# Altium PCB MB1635.PcbDoc (part 9 of 10) (continued)
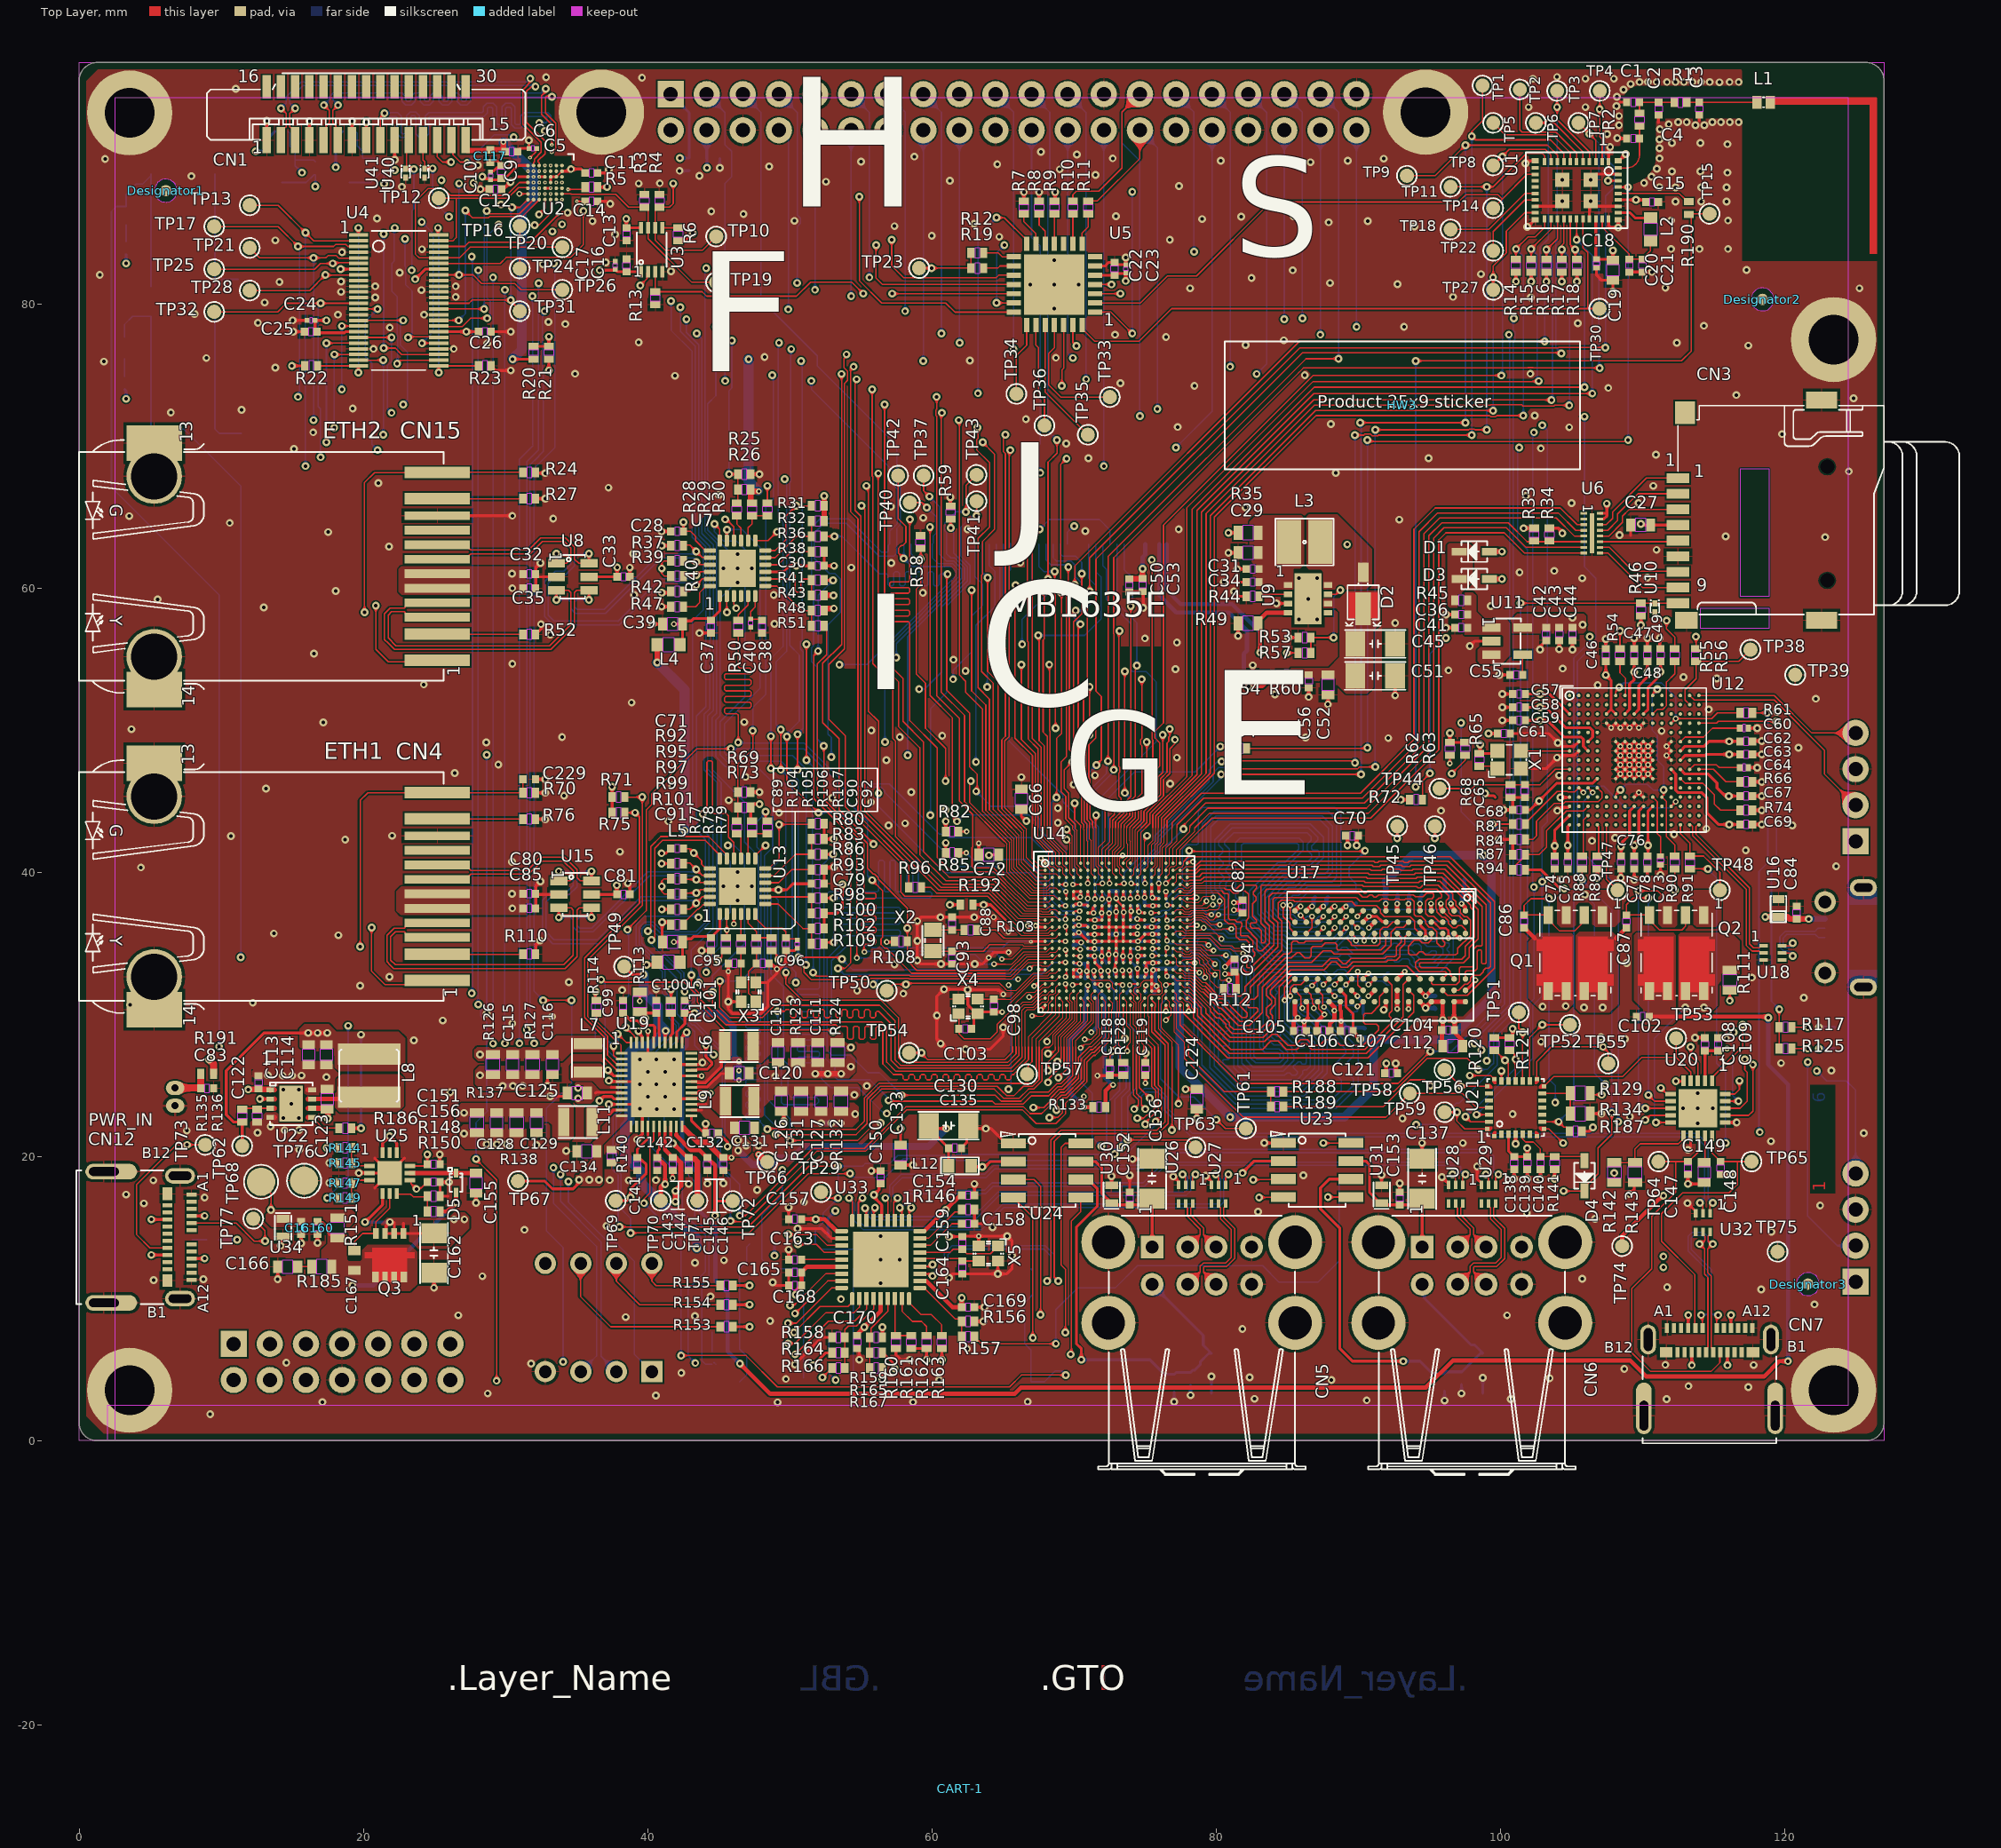
[diagram p0: Top Layer view]
## Nets (pads, with @x,y where several pads share a name; then routed paths per layer and width w, separated by ;. In a path a pad name is that pad's centre, name@x,y a point inside that pad or via, vN(x,y) a via of type N, cw(c..) or ccw(c..) an arc to the next point about the centre after c; other vN are vias at no path point) (continued)
WL_HOST_WAKE: U1.27 U14.A16 | length 70.1
  Top Layer w0.075: U14.A16@75.475,40.65 75.475,41.275 75.475,41.931 75.75,42.206 75.75,43.125
  Top Layer w0.1: 75.75,43.125 75.75,43.983 78.65,46.883 78.65,65.475 86.875,73.7 v1(106.475,73.7) ; v1(105.375,84.525) U1.27@105.375,85.975
  Bottom Layer w0.1: v1(105.375,84.525) 106.475,83.425 v1(106.475,73.7)
pads on no net: CART-1.1 CN1.16 CN1.17 CN1.18 CN1.19 CN1.20 CN1.21 CN1.22 CN1.23 CN1.24 CN1.25 CN1.26 CN1.27 CN1.28 CN1.29 CN1.30 CN3.13 CN3.NPTH1 CN3.NPTH2 CN4.9 CN7.A2 CN7.A3 CN7.A8 CN7.A10 CN7.A11 CN7.B2 CN7.B3 CN7.B8 CN7.B10 CN7.B11 CN10.4 CN12.A2 CN12.A3 CN12.A6 CN12.A7 CN12.A8 CN12.A10 CN12.A11 CN12.B2 CN12.B3 CN12.B6 CN12.B7 CN12.B8 CN12.B10 CN12.B11 CN14.11 CN14.12 CN15.9 CN16.5 CN16.6 CN16.13 CN16.14 CN16.21 CN16.22 Designator1.1 Designator2.1 Designator3.1 Designator4.1 Designator5.1 Designator6.1 L1.2 SW1.5 U1.13 U1.15 U1.16 U2.A1 U2.A3 U2.A5 U2.B1 U2.B2 U2.B5 U2.B6 U2.B7 U2.C2 U5.7 U5.10 U6.1 U6.2 U7.4 U9.5 U12.A1 U12.A2 U12.A3 U12.A4 U12.A5 U12.A8 U12.A9 U12.A11 U12.A12 U12.A13 U12.B1 U12.B2 U12.B3 U12.B4 U12.B5 U12.B6 U12.B7 U12.B8 U12.B9 U12.B10 U12.B11 U12.B12 U12.B13 U12.B15 U12.C2 U12.C3 U12.C4 U12.C11 U12.C12 U12.C13 U12.C14 U12.C15 U12.D1 U12.D2 U12.D3 U12.D4 U12.D10 U12.D11 U12.D13 U12.D14 U12.E1 U12.E2 U12.E3 U12.E4 U12.E12 U12.E13 U12.E14 U12.E15 U12.F1 U12.F4 U12.F14 U12.F15 U12.G4 U12.G14 U12.G15 U12.H1 U12.H2 U12.H3 U12.H4 U12.H14 U12.H15 U12.J2 U12.J3 U12.J4 U12.K1 U12.K2 U12.K3 U12.K12 U12.K14 U12.K15 U12.L1 U12.L12 U12.L13 U12.L14 U12.L15 U12.M2 U12.M3 U12.M4 U12.M5 U12.M7 U12.M12 U12.M13 U12.M14 U12.M15 U12.N2 U12.N4 U12.N5 U12.N6 U12.N7 U12.N11 U12.N13 U12.N14 U12.N15 U12.P2 U12.P4 U12.P5 U12.P6 U12.P7 U12.P8 U12.P9 U12.P10 U12.P11 U12.P12 U12.P13 U12.P14 U12.P15 U12.R2 U12.R3 U12.R6 U12.R7 U12.R8 U12.R9 U12.R10 U12.R11 U12.R12 U17.J1 U17.J9 U17.L1 U17.L9 U18.4 U19.14 U19.33 U19.34 U21.1 U21.2 U21.6 U21.7 U21.10 U21.11 U21.12 U21.23 U21.24 U22.9 U25.11 U26.4 U27.4 U28.4 U29.4 U32.4
copper on no net: | length 0.8
  Top Layer w0.2: v1(98.933,45.558) 98.987,45.558 99.14,45.404 99.521,45.404 99.65,45.275
  other v1: 14.375,22.725 15.475,22.725 14.925,23.725 14.375,24.725 15.475,24.725

## Polygon pours and split planes (outlines as drawn)
5V_VIN on Signal Layer 4 "5V_VIN" (solid, pour order 139): 125.9,99.475 128.975,96.4 128.975,3.825 121.925,-3.225 -0.85,-3.225 -2.525,-1.55 -2.525,99.475
VDD on Signal Layer 4 "VDD_L05_P024" (solid, pour order 24): 70.575,28.625 71.673,29.723 71.673,32.798 72.236,33.36 73.435,33.36 73.65,33.575 73.65,34.225 73.121,34.225 73.025,34.321 72.275,34.321 71.948,34.648 71.756,34.84 71.394,34.934 71.363,34.965 71.363,36.363 71.938,36.363 72.423,36.848 73.286,36.848 73.564,37.127 74.427,37.127 74.723,37.423 74.723,38.473 72.898,38.473 72.898,37.873 70.948,37.873 70.625,37.55 70.625,35.825 70.398,35.598 36.648,35.598 35.681,36.565 35.681,36.669 30.131,36.669 30.1,36.7 29.775,36.375 29.775,27.703 31.752,25.727 45.146,25.727 45.35,25.93 45.35,26.725 46.025,27.4 46.875,27.4 47.5,26.775 47.5,25.923 50.125,25.923 51.073,24.975 54.65,24.975 55.6,25.923 64.225,25.923 66.775,28.473 66.775,28.625
VDD_CPU on Signal Layer 4 "VDD_CPU_L05_P022" (solid, pour order 22): 70.75,47.425 30.975,47.425 24.775,41.225 24.775,27.275 27.866,24.184 31.159,24.184 31.65,24.675 31.65,25.675 29.65,27.675 29.65,38.9 29.925,39.175 32.95,39.175 36.35,35.775 36.35,35.725 69.99,35.725 70.55,36.075 70.55,37.525 70.95,37.925 72.663,37.925 72.813,38.075 72.812,38.45 74.469,38.45 74.675,38.656 74.675,43.5
NetC71_2 on Signal Layer 4 "NO_FT" (solid, pour order 14): 30.125,39.05 36.6,39.05 40.55,43 42.4,43 43.725,41.675 43.725,40.831 42.75,39.856 42.75,34.9 42.475,34.625 41.575,34.625 41.375,34.825 37.525,34.825 35.65,36.7 30.1,36.7 29.85,36.95 29.85,38.775
3V3_SW on Signal Layer 4 "3V3_SW" (solid, pour order 124): 52.975,17.4 60.575,17.4 62.525,15.45 62.525,7 60.25,4.725 51.725,4.725 49.775,6.675 49.775,14.2
1V8_PERIPH on Signal Layer 4 "1V8_PERIPH" (solid, pour order 128): 40.2,88.725 40.2,86.796 39.118,85.715 37.81,85.715 36.925,86.575 28.976,86.575 28.25,85.849 28.25,78.125 27.7,77.575 26.9,77.575 26.9,77.75 23.1,81.55 23.1,85.375 23,85.375 21.8,86.575 16.588,86.575 15.808,85.795 15.808,75.467 9.6,69.259 9.6,14.125 11.694,12.031 42.931,12.031 44.3,13.4 44.3,15.75 44.65,16.1 46.325,16.1 46.7,15.725 46.7,-1.175 2.445,-1.175 -1.325,2.595 -1.325,95.65 0.475,97.45 39.825,97.45 40.175,97.025 40.2,97
VDD_CORE on Signal Layer 4 "VDD_CORE_L05_P018" (solid, pour order 18): 73.724,34.158 73.724,33.574 73.475,33.325 72.053,33.325 71.6,32.872 71.6,29.723 71.6,29.65 70.575,28.625 68.675,28.625 66.775,28.625 66.775,28.55 63.925,25.7 55.325,25.7 54.325,24.7 52.05,24.7 51.45,24.1 51.45,21.1 52.325,20.225 70.8,20.225 71.643,20.225 72.599,19.268 73.308,19.268 75.197,21.157 77.727,21.157 79.366,22.795 79.366,23.634 77.1,25.9 77.1,29.325 75.814,30.611 75.832,31.642 74.725,32.75 74.725,33.408 75.193,33.785 75.193,36.482 74.775,36.9 74.775,36.925 74.175,36.925 74.075,36.825 73.425,36.825 73.292,36.959 73.259,36.959 73.259,37.32 73.121,37.458 72.825,37.458 72.592,37.225 72.592,36.892 72.417,36.892 71.875,36.35 71.875,35.875 71.841,35.841 71.234,35.841 71.234,35.409 71.595,35.409 71.756,35.247 71.756,34.84 72.26,34.336 72.274,34.323 72.274,34.1 72.649,34.1 72.666,34.117 72.666,34.337 73.664,34.337 73.724,34.276
3V3_STLK on Signal Layer 4 "3V3_STLK" (solid, pour order 122): 97.8,45.9 97.8,43.712 100.965,40.547 100.965,38.735 101.762,37.937 117.837,37.937 120.75,35.025 120.75,28.075 121.975,26.85 127.225,26.85 127.3,26.925 127.3,58.775 104.525,58.775 97.8,52.05
NetC28_2 on Signal Layer 4 "NO_FT" (solid, pour order 78): 30.125,61.58 36.6,61.58 39.825,64.805 43.125,64.805 43.725,64.205 43.725,63.361 43.196,62.832 43.196,57.876 42.475,57.155 40.02,57.155 39.225,57.95 36.93,57.95 30.375,57.95 29.85,58.475 29.85,61.305
NetC221_2 on Signal Layer 4 "NO_FT" (solid, pour order 102): 108.95,16.925 107.625,18.25 107.625,22.85 106.45,24.025 106.45,24.8 107.425,25.775 112.625,25.775 115.425,28.575 115.425,31.1 115.975,31.65 116.875,31.65 117.35,31.175 117.35,22.775 111.5,16.925
NetC161_2 on Signal Layer 4 "NO_FT" (solid, pour order 16): 8.675,18.8 7.1,18.8 4.55,16.25 4.55,12.7 5.775,11.475 7.575,11.475 10.125,11.475 11.138,11.475 11.694,12.031 11.694,12.631 10.5,13.825 10.5,14.575 10.975,15.05 13.663,15.05 14.15,15.538 14.15,17.75 13.1,18.8
VDD_DDR on Signal Layer 4 "VDD_DDR_L05_P020" (solid, pour order 20): 74.73,53 82.68,45.05 85.072,45.05 88.025,45.05 89.675,43.4 89.675,38.125 98.475,38.125 98.475,29.35 92.358,29.35 92.358,22.841 79.347,22.841 76,26.975 74.806,28.45 74.806,43.369 70.85,47.325 30.8,47.325 24.65,41.175 24.65,27.3 30.381,21.569 30.381,20.631 30.075,20.325 25.225,20.325 18.425,27.125 18.425,46.325 25.1,53
NetC221_2 on Signal Layer 4 "NO_FT" (solid, pour order 86): 117.9,11.45 117.9,6.5 116.3,4.9 113.275,4.9 111.425,6.75 111.463,8.913 110.625,9.75 110.625,14.175 111.3,14.85 115.6,14.85 117.9,12.55
NetC87_2 on Signal Layer 4 "NO_FT" (solid, pour order 96): 105.2,30.975 105.75,31.525 114.325,31.525 114.95,30.9 114.95,30.025 114.375,29.45 105.425,29.45 105.2,29.675
GND on Top Layer "GND" (solid, remove dead copper, pour order 160): 1.7,97.825 127.425,97.825 127.875,97.375 127.875,1.15 123.975,-2.75 0.6,-2.75 -3.5,1.35 -3.5,97.536
GND on Top Layer "NO_FT" (solid, pour order 169): 98.025,94.95 96.15,96.825 92.8,96.825 91.475,95.5 91.475,91.8 93.275,90 96.9,90 98.025,91.125
GND on Top Layer "NO_FT" (solid, pour order 168): 40.025,94.95 38.15,96.825 34.8,96.825 33.475,95.5 33.475,91.8 35.275,90 38.9,90 40.025,91.125
I_SENSE_VDD on Top Layer "NO_FT" (solid, pour order 62): 53.575,28.85 54.6,27.825 54.6,27.6 54.4,27.4 48.825,27.4 48.025,26.6 46.9,26.6 46.775,26.725 46.775,28.75 46.875,28.85
NetL11_1 on Top Layer "NO_FT" (solid, remove dead copper, pour order 36): 36.65,22.175 36.65,21.45 36.525,21.325 35.75,21.325 35.65,21.425 35.65,23.4 35.8,23.55 37.3,23.55 37.65,23.375 37.725,23.375 37.725,23.175 37.65,23.175
5V_VIN on Top Layer "NO_FT" (solid, pour order 34): 36.05,20.9 36.05,19.813 35.15,18.7 34.95,18.7 34.95,17.925 36.675,17.925 36.825,18.075 36.825,20.825 38.575,22.575 38.575,22.975 37.65,22.975 36.775,22.1 36.775,21.575
5V_VIN on Top Layer "NO_FT" (solid, remove dead copper, pour order 32): 36.975,24.575 36.7,24.575 36.025,25.25 34.975,25.25 34.875,25.15 34.875,23.9 35.05,23.725 36,23.725 36.65,24.375 36.975,24.375
NetL7_1 on Top Layer "NO_FT" (solid, remove dead copper, pour order 26): 38,24.975 37.525,24.975 36.975,25.525 36.975,26.275 36.7,26.55 34.75,26.55 34.575,26.375 34.575,25.475 34.725,25.325 36.125,25.325 36.675,24.775 38,24.775
NetC160_1 on Top Layer "NO_FT" (solid, pour order 68): 17.475,14.579 17.475,13.854 17.05,13.429 17.05,10.904 17.425,10.529 23.3,10.529 23.775,11.004 23.775,13.304 23.3,13.779 20.275,13.779 19.925,13.429 19.925,12.754 19.8,12.629 18.975,12.629 18.85,12.754 18.85,14.629 18.75,14.729 17.625,14.729
VL on Top Layer "NO_FT" (solid, pour order 110): 82.35,64.675 82.35,62 82.6,61.75 82.6,60.025 82.7,59.925 85.4,59.925 85.45,59.975 85.45,61.325 85.5,61.375 85.9,61.375 86.2,61.675 86.2,64.925 86,65.125 82.8,65.125 82.375,64.7
NetC87_2 on Top Layer "NO_FT" (solid, pour order 92): 112.525,35.6 112.675,35.75 116.25,35.75 116.85,35.15 116.85,32.75 116.575,32.475 115.675,32.475 115.3,32.1 115.3,30.65 114.775,30.125 112.75,30.125 112.525,30.35
NetC161_2 on Top Layer "NO_FT" (solid, pour order 66): 13.475,16.275 19.2,16.275 19.425,16.05 19.425,15.45 19.025,15.05 13.525,15.05 13.125,15.45 13.125,15.925 13.375,16.175
VDD on Top Layer "NO_FT" (solid, pour order 64): 49.875,25.8 50.175,25.5 54.175,25.5 54.625,25.95 54.625,26.925 54.325,27.225 49.975,27.225 49.875,27.125
VDD_CORE on Top Layer "NO_FT" (solid, pour order 56): 50.1,22.375 50.4,22.075 54.4,22.075 54.85,22.525 54.85,23.5 54.55,23.8 50.2,23.8 50.1,23.7
I_SENSE_VDD_CORE on Top Layer "NO_FT" (solid, pour order 54): 46.65,24.8 46.975,25.125 54.75,25.125 54.975,24.9 54.975,24.3 54.65,23.975 48.675,23.975 48.175,23.475 48.175,22.875 48.05,22.75 46.925,22.75 46.65,23.025
VDD_DDR on Top Layer "NO_FT" (solid, pour order 42): 31.475,20.85 31.175,20.55 27.175,20.55 26.725,21 26.725,21.975 27.025,22.275 31.375,22.275 31.475,22.175
I_SENSE_VDD_DDR on Top Layer "NO_FT" (solid, pour order 38): 34.8,23.475 34.525,23.75 26.875,23.75 26.5,23.375 26.5,22.6 26.65,22.45 33.05,22.45 33.275,22.225 33.275,21.325 33.475,21.125 34.525,21.125 34.8,21.4
VDD_CPU on Top Layer "NO_FT" (solid, pour order 30): 32.6,24.95 32.3,24.65 28.3,24.65 27.85,25.1 27.85,26.075 28.15,26.375 32.5,26.375 32.6,26.275
"I_SENSE_VDD CPU" on Top Layer "NO_FT" (solid, pour order 28): 36.625,28.5 36.875,28.25 36.875,27.475 36.75,27.35 34.625,27.35 34,26.725 28.075,26.725 27.8,27 27.8,27.5 28,27.7 32.775,27.7 33.575,28.5
GND on Top Layer "NO_FT" (solid, pour order 143): 13.725,25.022 13.522,25.225 12.3,25.225 12.15,25.375 12.15,26.025 12.355,26.23 13.48,26.23 14.567,27.317 17.605,27.317 17.975,26.947 17.975,26.275 17.997,26.275 18.472,25.8 18.125,25.453 18.125,24.578 17.882,24.335 16.201,24.326 16.125,24.25 16.125,21.95 15.575,21.4 12.45,21.4 12.05,21.8 12.05,22.775 12.245,22.97 12.994,22.97 13.141,23.117 13.641,23.117 13.725,23.201
VH on Top Layer "NO_FT" (solid, pour order 114): 88.675,59.275 89.225,59.825 91.45,59.825 91.55,59.725 91.55,57.5 91.05,57 91.05,53 90.625,52.575 89.15,52.575 88.525,53.2 87.475,53.2 87.2,53.475 85.1,53.475 85,53.575 85,54.275 85.1,54.375 87.925,54.375 88.7,55.15 88.7,58.325 88.425,58.6 87.575,58.6 87.5,58.675 87.5,59.2 87.575,59.275
3V3_AO on Top Layer "NO_FT" (solid, pour order 74): 15.5,28.975 15.85,29.325 17.575,29.325 18.1,28.8 22.475,28.8 22.95,28.325 22.95,26.497 22.453,26 18.25,26 17.975,26.275 17.975,27.1 17.65,27.425 15.725,27.425 15.5,27.65
NetL8_1 on Top Layer "NO_FT" (solid, pour order 72): 17.39,23.7 15.991,23.704 15.85,23.844 15.85,24.233 16.023,24.406 17.943,24.396 18.125,24.578 18.125,25.453 18.472,25.8 22.578,25.8 22.85,25.528 22.85,23.55 22.425,23.125 18.319,23.125 17.745,23.7
5V_VIN on Top Layer "NO_FT" (solid, remove dead copper, pour order 58): 46.55,27.025 46.625,26.95 46.625,25.3 46.55,25.225 45.025,25.225 44.55,24.75 43.525,24.75 43.5,24.775 43.5,24.975 43.525,25 43.979,25 45.987,27.025
5V_VIN on Top Layer "NO_FT" (solid, remove dead copper, pour order 46): 46.075,20 46.95,20 47.3,20.35 47.3,20.975 46.625,21.65 46.625,21.975 46.625,22.725 45.05,22.725 44.375,23.4 43.525,23.4 43.5,23.375 43.5,23.175 43.525,23.15 43.649,23.15 44.762,21.975 45.299,21.975 45.35,21.926 45.35,21.663 45.6,21.4 45.95,21.05 45.95,20.125
NetC28_2 on Top Layer "NO_FT" (solid, pour order 80): 24.7,61.53 22.655,61.53 22.475,61.35 22.475,59.75 22.695,59.53 31.6,59.53 31.675,59.605 31.675,61.38 31.525,61.53
NetC71_2 on Top Layer "NO_FT" (solid, pour order 76): 22.65,39 22.325,38.675 22.325,37.3 22.625,37 31.6,37 31.675,37.075 31.675,38.85 31.525,39
NetL9_1 on Top Layer "NO_FT" (solid, remove dead copper, pour order 52): 43.525,23.55 43.5,23.575 43.5,23.775 43.525,23.8 43.8,23.8 44.947,24.95 45.875,24.95 45.925,24.9 45.925,22.9 45.875,22.85 45.125,22.85 44.425,23.55
NetL6_1 on Top Layer "NO_FT" (solid, remove dead copper, pour order 60): 43.525,25.15 43.5,25.175 43.5,25.375 43.525,25.4 43.675,25.4 43.875,25.6 43.875,26 44.5,26.625 44.5,28.8 44.55,28.85 45.875,28.85 45.925,28.8 45.925,27.35 45.925,26.8 45.875,26.75 45.5,26.75 43.9,25.15
NetD2_1 on Top Layer "NO_FT" (solid, pour order 112): 86.375,65.05 86.375,61.475 86.525,61.325 87.375,61.325 87.5,61.2 87.5,60 87.575,59.925 90.575,59.925 90.975,60.325 90.975,62.75 88.525,65.2 86.525,65.2
GND on Top Layer "NO_FT" (solid, pour order 167): 6.825,94.9 4.95,96.775 1.6,96.775 0.275,95.45 0.275,91.75 2.075,89.95 5.7,89.95 6.825,91.075
GND on Top Layer "NO_FT" (solid, pour order 170): 126.775,78.95 124.9,80.825 121.55,80.825 120.225,79.5 120.225,75.8 121.85,74.175 125.825,74.175 126.775,75.125
GND on Top Layer "NO_FT" (solid, pour order 171): 126.775,5 124.9,6.875 121.55,6.875 120.225,5.55 120.225,1.85 122.025,0.05 125.65,0.05 126.775,1.175
GND on Top Layer "NO_FT" (solid, pour order 172): 6.875,5.05 5,6.925 1.65,6.925 0.325,5.6 0.325,1.9 2.125,0.1 5.75,0.1 6.875,1.225
5V_VIN on Top Layer "5V_VIN" (solid, pour order 159): 21.195,15.214 21.67,15.689 25.995,15.689 26.37,16.064 27.145,16.064 27.445,15.764 27.445,14.939 27.095,14.589 26.02,13.514 23.844,13.514 23.395,13.964 21.345,13.964 21.195,14.114
3V3_STLK on Top Layer "NO_FT" (solid, pour order 108): 105.875,58.2 106.025,58.05 106.025,57 105.85,56.825 100.85,56.825 100.75,56.925 100.75,57.75 101.2,58.2
NetC36_1 on Top Layer "NO_FT" (solid, pour order 106): 97.325,56.825 97.425,56.725 100.1,56.725 100.225,56.6 100.225,55.925 100.15,55.85 98.6,55.85 98.4,55.65 98.4,54.875 98.6,54.675 100.1,54.675 100.7,55.275 100.7,57.55 100.475,57.775 98.875,57.775 98.3,58.35 98.3,59.475 98.075,59.7 97.45,59.7 97.325,59.575
NetD1_2 on Top Layer "NO_FT" (solid, pour order 104): 98.05,60.475 97.275,59.7 97.275,58.75 97.15,58.625 96.425,58.625 96.275,58.775 96.275,63.025 96.4,63.15 97.825,63.15 98.05,62.925
5V_VIN on Top Layer "NO_FT" (solid, pour order 100): 105,35.725 105.15,35.575 105.15,30.75 104.675,30.275 102.875,30.275 101.975,31.175 101.975,35.1 102.6,35.725
SRC_GDCS on Top Layer "NO_FT" (solid, pour order 98): 104,38.25 104.5,38.75 107.925,38.75 108.425,38.25 108.425,36.525 108.05,36.15 106.675,36.15 106.475,36.35 106.475,37.625 106.225,37.875 105.525,37.875 105.325,37.675 105.325,36.3 105.15,36.125 104.25,36.125 104,36.375
NetC87_2 on Top Layer "NO_FT" (solid, pour order 94): 105.3,35.575 105.55,35.825 107.875,35.825 108.3,35.4 108.3,30.725 107.7,30.125 105.625,30.125 105.3,30.45
SNK_GDCS on Top Layer "NO_FT" (solid, pour order 90): 111.125,38.25 111.625,38.75 115.05,38.75 115.55,38.25 115.55,36.525 115.175,36.15 113.8,36.15 113.6,36.35 113.6,37.625 113.35,37.875 112.65,37.875 112.45,37.675 112.45,36.3 112.275,36.125 111.375,36.125 111.125,36.375
PWR_ON_DB on Top Layer "NO_FT" (solid, pour order 88): 112.35,29.525 112.125,29.3 110.175,29.3 110.05,29.425 110.05,30.35 109.4,31 109.4,35.575 109.575,35.75 112.175,35.75 112.35,35.575
NetR140_2 on Top Layer "NO_FT" (solid, pour order 44): 38.65,22.525 38.925,22.525 38.925,21.7 37.975,20.75 37.975,20.175 37.925,20.125 37.025,20.125 36.95,20.2 36.95,20.825
GND on Bottom Layer "GND" (solid, remove dead copper, pour order 173): 1.7,97.825 127.425,97.825 127.875,97.375 127.875,1.15 123.85,-2.875 2.45,-2.875 -3.625,3.2 -3.625,97.529
GND on Bottom Layer "NO_FT" (solid, pour order 165): 91.475,94.95 93.35,96.825 96.7,96.825 98.025,95.5 98.025,91.8 96.225,90 92.6,90 91.475,91.125
GND on Bottom Layer "NO_FT" (solid, pour order 161): 5.05,96.675 6.925,94.8 6.925,91.45 5.6,90.125 1.9,90.125 0.1,91.925 0.1,95.55 1.225,96.675
GND on Bottom Layer "NO_FT" (solid, pour order 162): 4.95,6.825 6.825,4.95 6.825,1.6 5.5,0.275 1.8,0.275 0,2.075 0,5.7 1.125,6.825
GND on Bottom Layer "NO_FT" (solid, pour order 163): 120.175,5 122.05,6.875 125.4,6.875 126.725,5.55 126.725,1.85 124.925,0.05 121.3,0.05 120.175,1.175
GND on Bottom Layer "NO_FT" (solid, pour order 164): 120.125,79 122,80.875 125.35,80.875 126.675,79.55 126.675,75.85 124.875,74.05 121.25,74.05 120.125,75.175
GND on Bottom Layer "NO_FT" (solid, pour order 166): 33.475,94.95 35.35,96.825 38.7,96.825 40.025,95.5 40.025,91.8 38.225,90 34.6,90 33.475,91.125
NetC221_2 on Bottom Layer "NO_FT" (solid, pour order 150): 110.4,17.75 111.375,17.75 112.025,17.1 112.025,12.1 111.575,11.65 110.375,11.65 110.1,11.925 110.1,13.025 109.525,13.6 109.525,15.85 110.25,16.575 110.25,17.6
5V_VIN on Bottom Layer "NO_FT" (solid, pour order 82): 26.075,15.835 26.075,14.765 26.264,14.576 27.064,14.576 27.414,14.926 27.414,15.859 27.233,16.04 26.28,16.04
VDD on Signal Layer 3 "VDD" (solid, pour order 132): 125.9,99.475 128.975,96.4 128.975,3.825 121.925,-3.225 0.375,-3.225 -3.75,0.9 -3.75,99.475
3V3_AO on Signal Layer 3 "3V3_AO" (solid, pour order 120): 68.142,87.383 70.667,87.383 71.725,86.325 71.713,82.488 72.9,81.3 74.225,81.3 75.625,82.7 107.975,82.7 108.475,83.2 108.475,84.4 107.75,85.125 107.75,97.9 -1.55,97.9 -1.55,30.4 1.95,26.9 17.625,26.9 24.3,33.575 38.8,33.575 41.275,31.1 46.987,31.1 49.075,33.225 54.75,38.9 54.75,40.2 54.75,41.35 50.775,45.325 19.925,45.3 15.525,49.7 15.525,72.225 18.575,75.275 18.575,75.467 31.792,75.467 37.625,81.3 37.625,84.35 37.575,84.4 40.558,87.383
VDD_LS on Signal Layer 3 "VDD_LS" (solid, pour order 116): 43.1,87.275 43.458,86.917 43.458,84.557 43.05,84.15 38.338,84.15 37.5,83.312 37.5,81.175 31.9,75.575 18.575,75.575 17.209,76.941 17.209,79.058 17.65,79.5 17.65,82.125 18.725,83.2 22.7,83.2 23.234,82.666 23.234,81.216 26.825,77.625 27.65,77.625 28.3,78.275 28.3,85.75 29.025,86.475 38.2,86.475 39,87.275
3V3_SW on Signal Layer 3 "3V3_SW" (solid, pour order 126): 40.825,67.55 40.475,67.2 40.475,54.6 40.825,54.25 49.225,54.25 53.5,58.525 53.5,66.275 52.225,67.55
GND on Signal Layer 1 "GND_L02_P156" (solid, remove dead copper, pour order 156): 1.325,98.675 127.05,98.675 127.5,98.225 127.5,2 122.975,-2.525 1.375,-2.525 -5.2,4.05 -5.2,98.312
GND on Signal Layer 2 "GND_L03_P152" (solid, remove dead copper, pour order 152): 1.225,98.5 126.95,98.5 127.4,98.05 127.4,1.825 123.9,-1.675 -4,-1.675 -4,98.21

## Keep-outs
Keep-Out Layer:
  region: 0,0 0,97 127,97 127,0 2,0 2,2.5 124.5,2.5 124.5,94.5 2.5,94.5 2.5,0

## Other copper
Top Layer:
  region: 126,83.575 ccw(c126.05,83.575) 126.05,83.525 126.45,83.525 ccw(c126.45,83.575) 126.5,83.575 126.5,94.475 ccw(c126.45,94.475) 126.45,94.525 118.875,94.525 118.875,94.025 126,94.025
  pour cut-out: 117,95.45 cw(c116.925,95.45) 116.925,95.375 109.8,95.375 ccw(c109.8,94.2) 108.625,94.2 108.625,91.2 cw(c108.55,91.2) 108.55,91.125 108.075,91.125 ccw(c108.075,90.975) 107.925,90.975 107.925,88.475 ccw(c108,88.475) 108,88.4 108.904,88.4 ccw(c108.904,90.472) 110.975,90.472 110.975,92.894 cw(c111.106,92.894) 111.106,93.025 116.925,93.025 cw(c116.925,92.95) 117,92.95 117,83 128.05,83 128.05,97.4 117,97.4
  pour cut-out: 31.075,90.45 34.675,90.45 34.675,86.55 31.075,86.55
  pour cut-out: 104.75,50.025 103.15,51.625 101.775,51.625 101.775,50.7 103.325,50.7 104.55,49.475 105.075,49.475
  pour cut-out: 116.4,43.375 115.35,43.375 114.55,44.175 114.55,45.225 114.15,45.625 114.15,47.725 112.675,49.2 112.675,50.38 112.948,50.653 112.975,50.625 116.975,50.625 117.45,50.15 117.45,43.46 117.205,43.215
  pour cut-out: 108.5,41.15 108.5,42.05 109.05,42.6 109.05,43.5 111.575,43.5 111.725,43.35 111.725,42.475 112.275,41.925 112.275,41.15
  pour cut-out: 71.425,62.45 85.75,76.775 104.05,76.775 104.775,76.05 106.875,76.05 107.231,75.694 107.037,75.5 100.575,75.5 99.875,74.8 100.45,74.225 105.7,74.225 106.075,73.85 105.875,73.65 104,73.65 103.6,73.25 102.725,73.25 101.625,72.15 87.375,72.15 86.625,72.9 86.625,75.1 86.225,75.5 85.775,75.5 72.05,61.775 71.175,61.775
  pour cut-out: 72.725,55.9 76.25,55.9 76.3,55.95 76.3,50.2 75.4,49.3 73.9,49.3 72.725,50.475
  pour cut-out: 69.475,49.175 69.475,61.85 69.575,61.95 72.425,61.95 72.525,61.85 72.525,49.075 71.825,48.375 69.925,48.375
  pour cut-out: 65.525,61.45 66.725,61.45 66.775,61.4 66.775,55.975 66.4,55.6 66.325,55.675 65.625,55.675
  pour cut-out: 62.575,47.7 63.325,47.7 63.675,48.05 63.675,53.05 62.82,53.905 61.493,53.905 61.493,53.818 61.125,53.45 61.125,52.575 62.575,51.125
  pour cut-out: 61.45,50.869 61.45,43.95 60.575,43.075 60.575,40.85 61.375,40.05 61.425,40.1 62.475,40.1 62.962,40.587 62.962,44.088 61.95,45.1 61.95,50.825
  pour cut-out: 59.475,44.2 59.475,49.025 59.525,49.075 59.55,49.05 60.15,49.05 60.4,48.8 60.4,44.325 60.1,44.025
  pour cut-out: 52.75,54.35 54.7,54.35 54.975,54.075 54.975,46.325 54.7,46.05 53.675,46.05 52.75,46.975
  pour cut-out: 47.27,57.7 47.737,58.167 47.737,60.112 47.875,60.25 49,60.25 51.025,58.225 52.05,58.225 52.275,58.45 52.275,65.65 52.425,65.8 48.8,65.8 48.1,65.1 44.025,65.1 42.17,63.245 42.17,57.955 42.425,57.7
  pour cut-out: 51.547,35.15 52.075,35.678 52.075,43.15 51.688,43.537 43.587,43.537 42.175,42.125 42.175,35.425 42.45,35.15
  pour cut-out: 50.47,11.47 50.47,14.195 50.8,14.525 51.875,14.525 52.65,13.75 53.65,13.75 53.65,12.25
  pour cut-out: 59.1,13.025 59.1,14.2 61,16.1 62.2,16.1 62.25,16.05 62.25,15.425 62.1,15.275 61.5,15.275 60.675,14.45 60.675,13.525 60.05,12.9 58.975,12.9
  pour cut-out: 55.6,9.75 55.6,8.175 55.675,8.25 57.375,8.25 57.375,7.5 57.475,7.4 61.85,7.4 62.1,7.65 62.1,9 59.85,11.25 59.15,11.25 57.975,10.075 56.15,10.075
  pour cut-out: 49.875,8.275 49.875,6.611 50.375,6.111 50.375,6.075 52.725,8.425 54.575,8.425 55.4,9.25 55.4,10 51.6,10
  pour cut-out: 46.4,6 46.4,5.65 48.75,3.3 49.25,3.3 49.25,3.675 46.925,6
  pour cut-out: 67.125,41.5 67.125,41.575 77.25,41.575 77.75,42.075 96.1,42.075 96.575,41.6 99.95,38.225 99.9,38.175 99.9,32.425 97.375,29.9 94.4,29.9 94.075,29.575 90.925,26.425 90.775,26.425 80.7,26.425 77.025,30.1 67.125,30.075
  text "1" at 123.175,17.55 h1.5 r90
Signal Layer 1:
  pour cut-out: 117,97.4 128.05,97.4 128.05,83 117,83
  text "2" at 123.175,18.8 h1.5 r90
Signal Layer 2:
  pour cut-out: 117,97.4 128.05,97.4 128.05,83 117,83
  pour cut-out: 102.95,29.275 102.975,29.3 116.5,29.3 116.5,28.825 116.425,28.75 116.4,28.775 102.925,28.775
  pour cut-out: 100.109,26.559 117.739,26.559 118.01,26.287 117.748,26.025 100.075,26.025
  pour cut-out: 98.175,27.95 98.391,27.734 98.391,27.388 100.037,27.388 100.475,26.95 100.45,26.925 100.45,25.875 99.745,25.875 98.82,24.95 97.225,24.95 96.3,25.875 93.275,25.875 92.925,26.225 92.925,26.925 97.15,26.925
  pour cut-out: 91.925,26.825 74.425,26.825 74.316,26.716 74.316,26.159 74.6,25.875 92.075,25.875 92.1,25.85
  pour cut-out: 81.769,16.657 86.061,20.95 87.55,20.95 87.025,21.475 84.925,21.475 81.7,18.25 68.925,18.25 66.1,15.425 66.1,13.575 66.625,13.05 70.2,16.625 81.725,16.625
  pour cut-out: 50.95,21.625 71.3,21.625 72.025,20.9 71.3,20.175 51.35,20.175 49.675,18.5 48.65,18.5 48.45,18.7
  pour cut-out: 37.225,27.975 36.625,28.575 24.425,28.575 24.125,28.275 24.125,27.75 28.3,27.75 29.525,26.525 36.2,26.525 37.3,27.625
  pour cut-out: 22.875,58.775 36.375,58.775 36.775,59.175 41.3,59.175 41.7,58.775 41.862,58.937 45.363,58.937 45.625,58.675 45.25,58.3 23.35,58.3
  pour cut-out: 56,74 56.7,73.3 56.7,71.625 58.05,70.275 63.575,70.275 64.6,69.25 68.825,69.25 69.475,68.6 68.95,68.075 56.225,68.075 55.75,68.55 16.141,68.55 15.808,68.883 15.808,71.133 16.5,71.825 19.1,71.825 19.675,72.4 19.675,73.575 20.1,74
  pour cut-out: 33.975,84.375 55.1,84.375 55.75,83.725 65.65,83.725 66.05,83.325 65.6,82.875 33.75,82.875 33.075,83.55
  pour cut-out: 44.6,78.925 89.355,78.925 89.997,78.283 89.997,78.117 89.792,78.117 89.575,77.9 89.075,78.4 66.655,78.4 65.905,77.65 65.905,77.42 66.275,77.05 66.85,77.05 66.875,77.025 66.875,76.55 66.775,76.45 62.675,76.45 62.1,75.875 62.35,75.625 80.814,75.625 81.148,75.291 80.982,75.125 71.625,75.125 70.15,73.65 70.075,73.725 63.25,73.725 62.8,74.175 50.1,74.175 48.925,75.35 48.925,77 48,77.925 44.625,77.925
  pour cut-out: 51.65,80.45 51.65,80.87 51.755,80.975 50.65,80.975 50.525,81.1 50.525,81.475 32.391,81.475 31.95,81.034 31.95,80.55
  pour cut-out: 48.7,80.15 58,80.15 58.15,80 58.15,79.525 58.125,79.5 48.825,79.5
  text "3" at 123.175,20.05 h1.5 r90
Signal Layer 3:
  pour cut-out: 117,97.4 128.05,97.4 128.05,83 117,83
  text "4" at 123.175,21.3 h1.5 r90
Signal Layer 4:
  pour cut-out: 117,97.4 128.05,97.4 128.05,83 117,83
  text "5" at 123.175,22.55 h1.5 r90
Bottom Layer:
  pour cut-out: 29.126,79.486 29.95,78.662 29.95,28.248 29.586,27.883 29.192,27.883 29.125,27.95 29.126,27.951
  pour cut-out: 28.676,48.277 29.125,47.829 29.125,30.896 28.791,30.563 28.687,30.563 28.35,30.9 28.35,47.951
  pour cut-out: 117,97.4 128.05,97.4 128.05,83 117,83
  pour cut-out: 90.531,41.1 98.95,41.1 99.8,40.25 99.8,30.875 96.525,27.6 92.3,27.6 91.725,27.025 91.725,24.625 89.425,22.325 80.873,22.325 76.965,26.234 76.965,32.131 75,34.096 75,34.65 75,36.015 75,37.725 77.3,40.025 77.3,41.725 78.125,42.55 78.125,44.325 78.925,45.125 88.625,45.125 89.425,44.325 89.425,42.206
  pour cut-out: 77.25,32.05 77.25,26.775 78.025,26 78.403,26 78.715,26.312 78.715,30.685 77.975,31.425 77.975,32.25 77.35,32.25 77.25,32.35
  pour cut-out: 106.475,73.7 106.475,75.025 107.075,75.625 107.075,85.55 106.475,86.15 104.25,86.15 104.05,86.35 104.05,92.675 103.975,92.75 103.375,92.75 103.375,86 101.625,84.25 101.625,75.225 103.675,73.175 105.975,73.175
  pour cut-out: 54.325,46 54.325,50.45 52.3,52.475 52.3,56.75 51.525,57.525 51.525,74.175 51.95,74.6 51.95,76.35 51.025,77.275 49.25,77.275 48.775,76.8 48.775,66.2 48.325,65.75 48.325,60.175 48.375,60.125 49.075,60.125 50.388,58.812 50.388,55.588 49.6,54.8 49.6,49.55 49.725,49.55 53.275,46
  pour cut-out: 29.775,79.975 30.875,79.975 31.15,80.25 30.95,80.45 30.95,86.95 30.3,87.6 26.95,87.6 26.7,87.35 26.725,87.325 26.725,82.05 27.125,81.65 27.125,79 27.975,78.15 29.175,78.15 29.95,78.925 29.95,79.3
  pour cut-out: 21,69.725 21.4,70.125 21.4,71.925 22.725,73.25 22.725,77.225 23.15,77.65 23.15,79.5 22.925,79.725 22.925,81.625 22.225,81.625 22.225,78.075 21.025,76.875 21.025,74.65
  pour cut-out: 67.6,43 68.325,43 69.425,41.9 69.425,39.2 69.739,38.886 69.816,38.886 69.816,38.637 69.529,38.35 68.825,38.35 68.575,38.6 68.575,41.425 67.6,42.4
  text "6" at 123.175,23.8 h1.5 r90
Multi-Layer:
  pour cut-out: 121.8,17.425 123.55,17.425 123.55,25.05 121.8,25.05

## Silkscreen, mask and mechanical layers (free items; w line width, h text height)
Top Overlay:
  lines w0.1: 41.6,18.25 42.925,18.25 ; 41.625,16.3 42.6,16.3 ; 42.15,16.3 42.15,18.225 ; 44.05,18.4 45.375,18.4 ; 44.05,36.05 50.1,36.05 50.375,36.325 50.375,44.3 ; 44.2,16.075 45.525,16.075 ; 44.875,16.075 44.875,18.4 ; 48.85,44.3 55.925,44.3 56.175,44.3 56.175,47.325 48.85,47.325 48.85,44.3
  lines w0.12: 34.4,90.55 34.8,90.55 34.8,90.15
  text "H" at 49.725,83.025 h20
  text "S" at 81.225,81.075 h12
  text "F" at 43.4,72.4 h15
  text "ETH2" at 17.125,70.125 h2
  text "J" at 65.075,60.3 h20
  text "MB1635E" at 65.175,57.375 h3
  text "I" at 55,50.025 h15
  text "C" at 63.3,48.85 h15
  text "ETH1" at 17.225,47.575 h2
  text "E" at 79.425,42.6 h15
  text "G" at 69.25,42.075 h12
  text "PWR_IN" at 0.65,21.85 h1.5